# KiCad board pcb_r.kicad_pcb
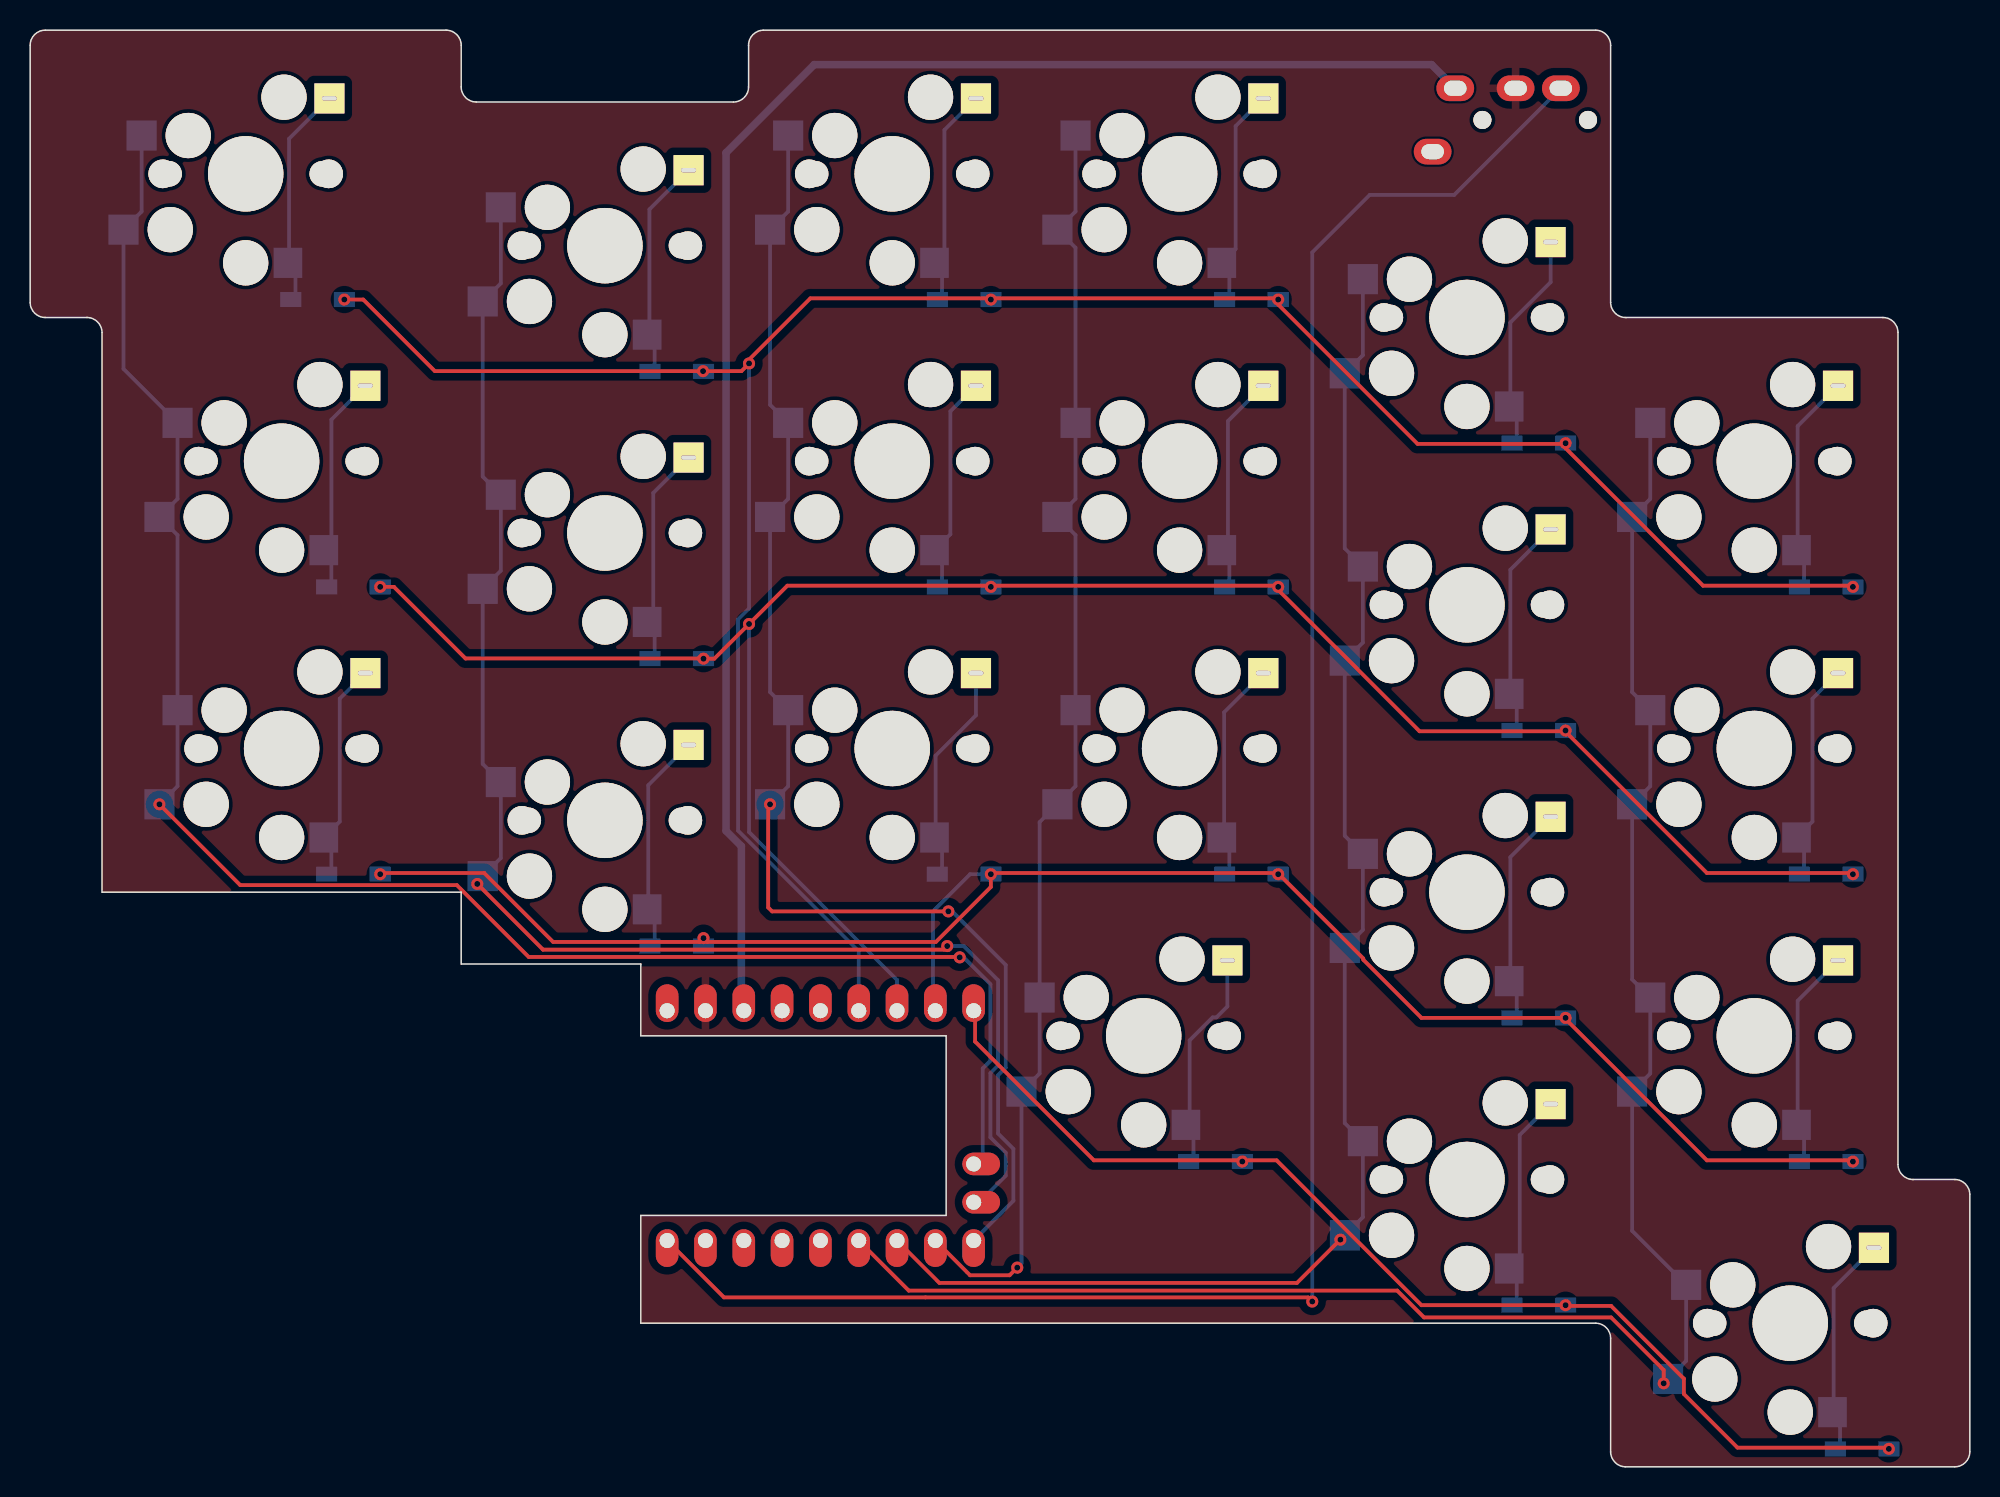
[diagram p0: board, top side]
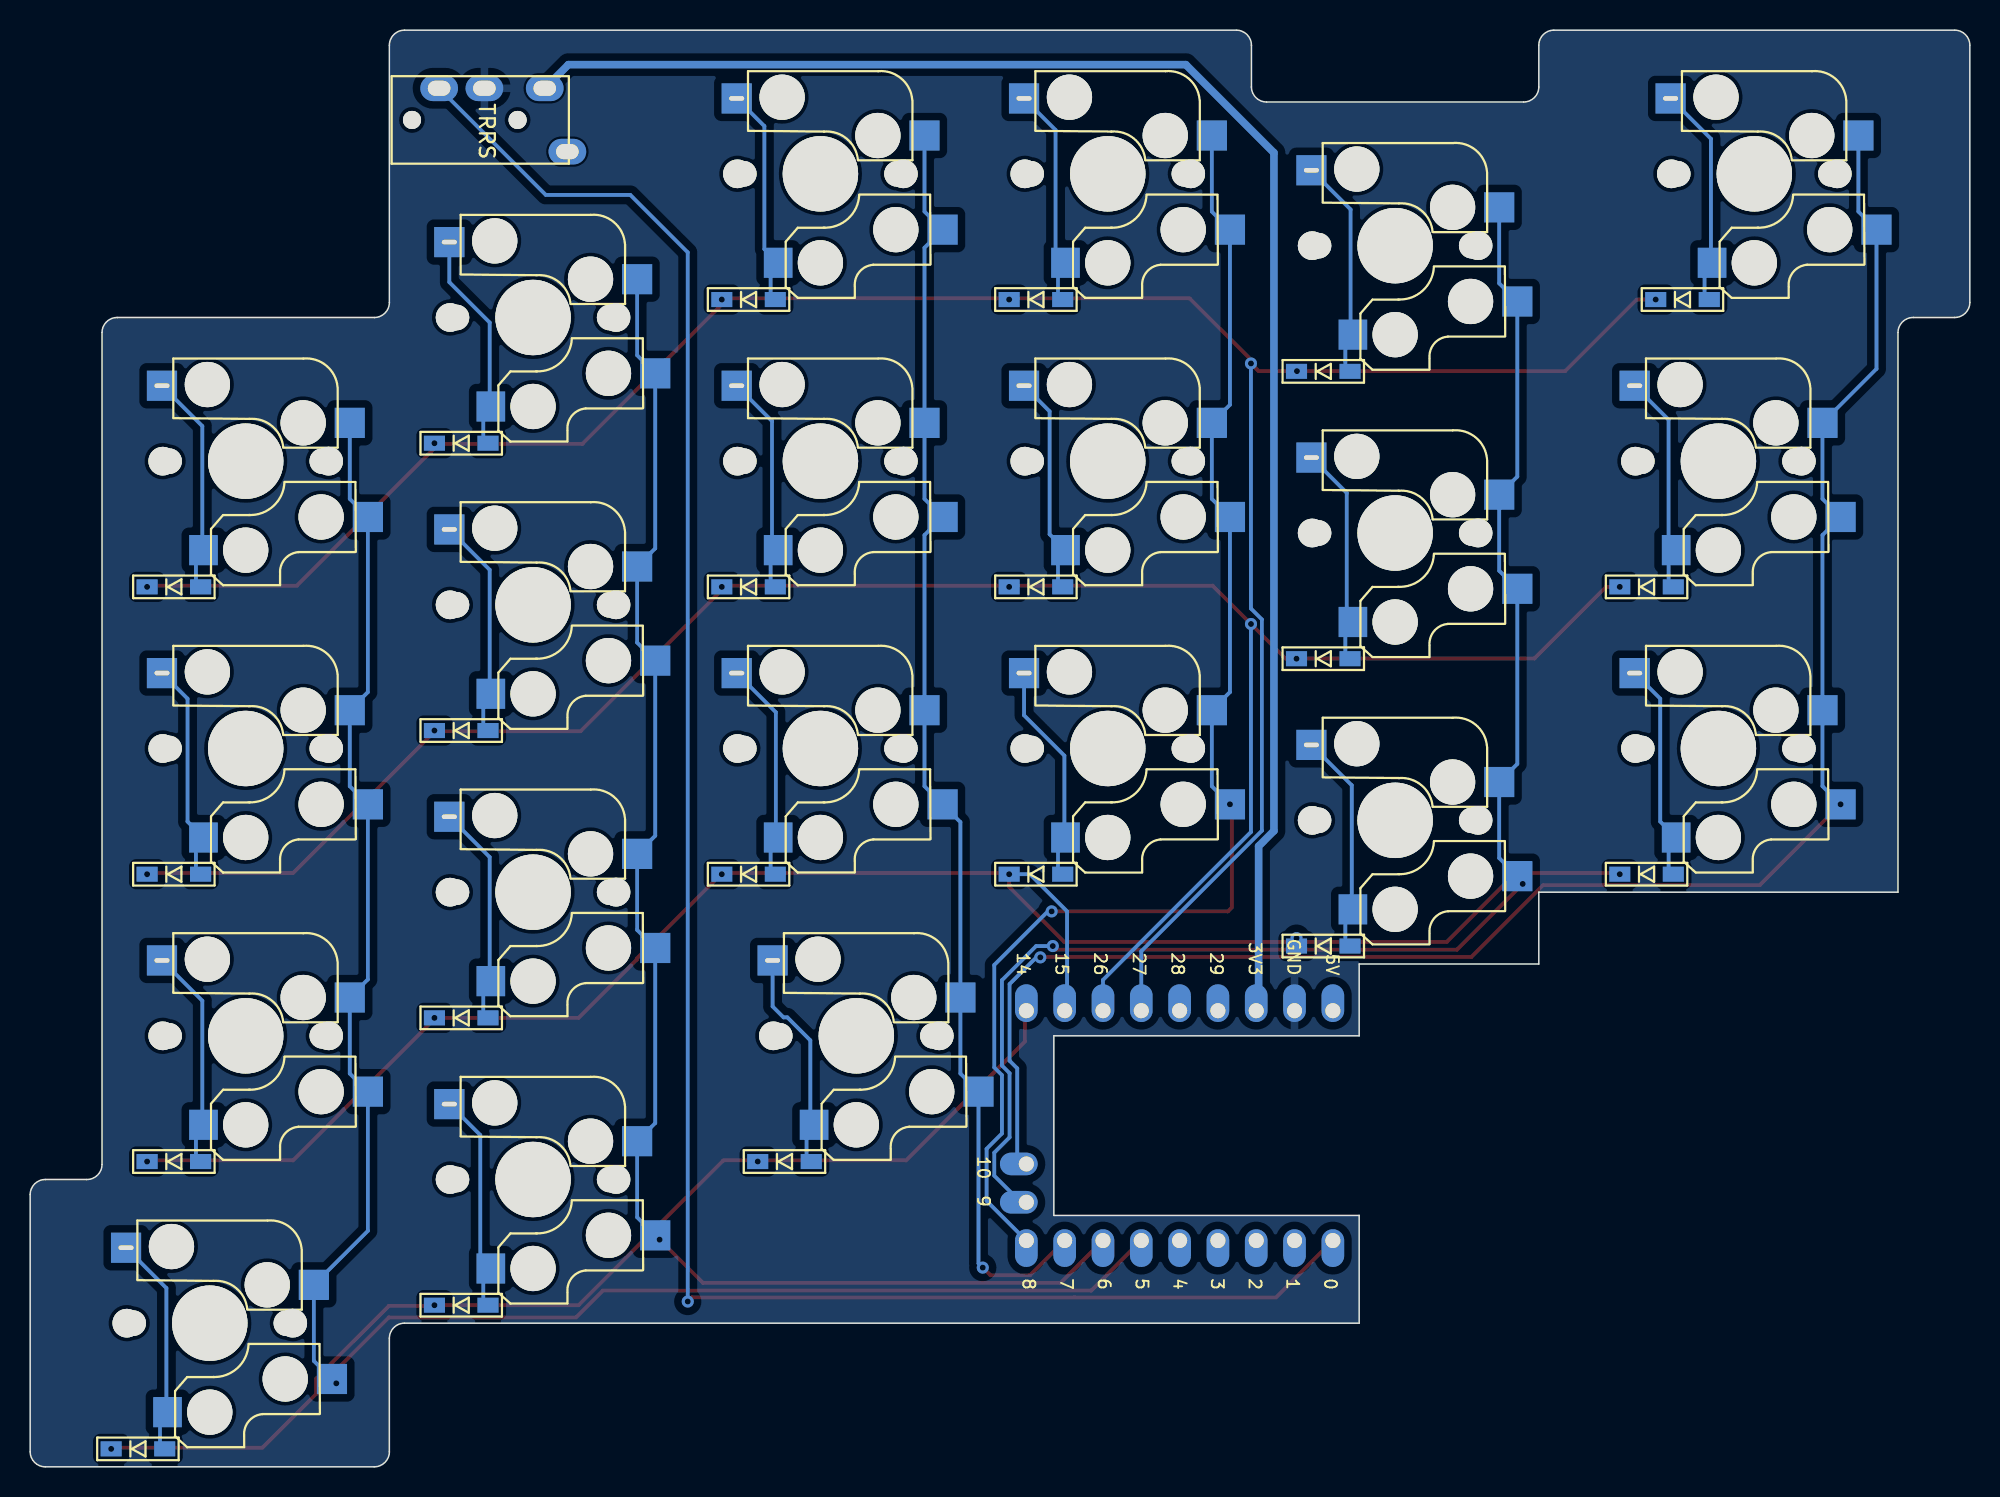
[diagram p1: board, bottom side, seen from below]

Outline 128.59 x 95.25 mm; copper layers: Top, Bottom. Coordinates in mm from the lower left corner of the outline.
Outline path: 0,94.25 arc(0.29,94.96) 1,95.25 27.58,95.25 arc(28.28,94.96) 28.58,94.25 28.58,91.49 arc(28.87,90.78) 29.58,90.49 46.63,90.49 arc(47.33,90.78) 47.63,91.49 47.63,94.25 arc(47.92,94.96) 48.63,95.25 103.78,95.25 arc(104.48,94.96) 104.78,94.25 104.78,77.2 arc(105.07,76.49) 105.78,76.2 122.82,76.2 arc(123.53,75.91) 123.82,75.2 123.82,20.05 arc(124.12,19.34) 124.82,19.05 127.59,19.05 arc(128.29,18.76) 128.59,18.05 128.59,1 arc(128.29,0.29) 127.59,0 105.78,0 arc(105.07,0.29) 104.78,1 104.78,8.52 arc(104.48,9.23) 103.78,9.52 40.48,9.52 40.48,16.67 60.72,16.67 60.72,28.58 40.48,28.58 40.48,33.34 28.58,33.34 28.58,38.1 4.76,38.1 4.76,75.2 arc(4.47,75.91) 3.76,76.2 1,76.2 arc(0.29,76.49) 0,77.2 0,94.25

## Placement (name value [footprint] x y rotation side)
D1  D  [D3_SMD_v2]  19.05 77.39 180 bottom
D2  D  [D3_SMD_v2]  42.86 72.63 180 bottom
D3  D  [D3_SMD_v2]  61.91 77.39 180 bottom
D4  D  [D3_SMD_v2]  80.96 77.39 180 bottom
D5  D  [D3_SMD_v2]  100.01 67.87 180 bottom
D6  D  [D3_SMD_v2]  119.06 58.34 180 bottom
D7  D  [D3_SMD_v2]  21.43 58.34 180 bottom
D8  D  [D3_SMD_v2]  42.86 53.58 180 bottom
D9  D  [D3_SMD_v2]  61.91 58.34 180 bottom
D10  D  [D3_SMD_v2]  80.96 58.34 180 bottom
D11  D  [D3_SMD_v2]  100.01 48.82 180 bottom
D12  D  [D3_SMD_v2]  119.06 39.29 180 bottom
D13  D  [D3_SMD_v2]  21.43 39.29 180 bottom
D14  D  [D3_SMD_v2]  42.86 34.53 180 bottom
D15  D  [D3_SMD_v2]  61.91 39.29 180 bottom
D16  D  [D3_SMD_v2]  80.96 39.29 180 bottom
D17  D  [D3_SMD_v2]  100.01 29.77 180 bottom
D18  D  [D3_SMD_v2]  119.06 20.24 180 bottom
D19  D  [D3_SMD_v2]  78.58 20.24 180 bottom
D20  D  [D3_SMD_v2]  100.01 10.72 180 bottom
D21  D  [D3_SMD_v2]  121.44 1.19 180 bottom
J1  TRRS  [MJ-4PP-9_1side]  104.78 89.3 90 bottom
SW1  SW_PUSH  [CherryMX_ChocV2_Hotswap_1.5u]  14.29 85.72 0 top
SW2  SW_PUSH  [CherryMX_ChocV2_Hotswap]  38.1 80.96 0 top
SW3  SW_PUSH  [CherryMX_ChocV2_Hotswap]  57.15 85.72 0 top
SW4  SW_PUSH  [CherryMX_ChocV2_Hotswap]  76.2 85.72 0 top
SW5  SW_PUSH  [CherryMX_ChocV2_Hotswap]  95.25 76.2 0 top
SW6  SW_PUSH  [CherryMX_ChocV2_Hotswap]  114.3 66.67 0 top
SW7  SW_PUSH  [CherryMX_ChocV2_Hotswap_1.25u]  16.67 66.67 0 top
SW8  SW_PUSH  [CherryMX_ChocV2_Hotswap]  38.1 61.91 0 top
SW9  SW_PUSH  [CherryMX_ChocV2_Hotswap]  57.15 66.67 0 top
SW10  SW_PUSH  [CherryMX_ChocV2_Hotswap]  76.2 66.67 0 top
SW11  SW_PUSH  [CherryMX_ChocV2_Hotswap]  95.25 57.15 0 top
SW12  SW_PUSH  [CherryMX_ChocV2_Hotswap]  114.3 47.62 0 top
SW13  SW_PUSH  [CherryMX_ChocV2_Hotswap_1.25u]  16.67 47.62 0 top
SW14  SW_PUSH  [CherryMX_ChocV2_Hotswap]  38.1 42.86 0 top
SW15  SW_PUSH  [CherryMX_ChocV2_Hotswap]  57.15 47.62 0 top
SW16  SW_PUSH  [CherryMX_ChocV2_Hotswap]  76.2 47.62 0 top
SW17  SW_PUSH  [CherryMX_ChocV2_Hotswap]  95.25 38.1 0 top
SW18  SW_PUSH  [CherryMX_ChocV2_Hotswap]  114.3 28.58 0 top
SW19  SW_PUSH  [CherryMX_ChocV2_Hotswap_1.25u]  73.82 28.58 0 top
SW20  SW_PUSH  [CherryMX_ChocV2_Hotswap]  95.25 19.05 0 top
SW21  SW_PUSH  [CherryMX_ChocV2_Hotswap_1.25u]  116.68 9.52 0 top
U1  rp2040-zero  [rp2040-zero-tht]  52.39 22.62 270 bottom

## Library data of the parts
D1-D21 = -: Description: Diode; Sim.Pins: 1=K 2=A

## Footprints (pads in the part's own frame, mm; a bottom-side part is the same pattern mirrored in y, then rotated)
CherryMX_ChocV2_Hotswap
  round 1.9 hole 1.9 unplated: (-5.5,0) (5.5,0)
  round 1.7 hole 1.7 unplated: (-5.08,0) (5.08,0)
  round 3 hole 3 unplated: (-5,-3.7) (-3.81,2.54) (0,-5.9) (2.54,5.08)
  round 4 hole 4 unplated: (0,0)
  round 5 hole 5 unplated: (0,0)
  rect 2x2 smd far side: 1(-8.1,-3.7) 1(-6.9,2.54)
  rect 1.9x2 smd far side: 2(2.8,-5.9)
  rect 2x2 hole 1x0.3: 2(5.55,5)
CherryMX_ChocV2_Hotswap_1.5u
  round 1.9 hole 1.9 unplated: (-5.5,0) (5.5,0)
  round 1.7 hole 1.7 unplated: (-5.08,0) (5.08,0)
  round 3 hole 3 unplated: (-5,-3.7) (-3.81,2.54) (0,-5.9) (2.54,5.08)
  round 4 hole 4 unplated: (0,0)
  round 5 hole 5 unplated: (0,0)
  rect 2x2 smd far side: 1(-8.1,-3.7) 1(-6.9,2.54)
  rect 1.9x2 smd far side: 2(2.8,-5.9)
  rect 2x2 hole 1x0.3: 2(5.55,5)
CherryMX_ChocV2_Hotswap_1.25u
  round 1.9 hole 1.9 unplated: (-5.5,0) (5.5,0)
  round 1.7 hole 1.7 unplated: (-5.08,0) (5.08,0)
  round 3 hole 3 unplated: (-5,-3.7) (-3.81,2.54) (0,-5.9) (2.54,5.08)
  round 4 hole 4 unplated: (0,0)
  round 5 hole 5 unplated: (0,0)
  rect 2x2 smd far side: 1(-8.1,-3.7) 1(-6.9,2.54)
  rect 1.9x2 smd far side: 2(2.8,-5.9)
  rect 2x2 hole 1x0.3: 2(5.55,5)
D3_SMD_v2
  rect 1.4x1 smd: 1(-1.775,0) 2(1.775,0)
MJ-4PP-9_1side
  round 1.2 hole 1.2 unplated: (0,-8.5) (0,-1.5)
  oval 1.7x2.5 hole 1x1.5: A(-2.1,-11.8) B(2.1,-3.3) C(2.1,-6.3) D(2.1,-10.3)
rp2040-zero-tht
  oval 2.5x1.5 hole 1: 1(7.62,10.16) 2(7.62,7.62) 3(7.62,5.08) 4(7.62,2.54) 5(7.62,0) 6(7.62,-2.54) 7(7.62,-5.08) 8(7.62,-7.62) 9(7.62,-10.16) 15(-7.62,-10.16) 16(-7.62,-7.62) 17(-7.62,-5.08) 18(-7.62,-2.54) 19(-7.62,0) 20(-7.62,2.54) 21(-7.62,5.08) 22(-7.62,7.62) 23(-7.62,10.16)
  oval 1.5x2.5 hole 1: 10(5.08,-10.16) 11(2.54,-10.16)

## Nets
GND: J1.C U1.22
VCC: J1.D U1.21
COL0: SW1.1 SW7.1 SW13.1 U1.11
COL1: SW2.1 SW8.1 SW14.1 U1.10
COL2: SW3.1 SW9.1 SW15.1 U1.9
COL3: SW4.1 SW10.1 SW16.1 SW19.1 U1.8
COL4: SW5.1 SW11.1 SW17.1 SW20.1 U1.7
COL5: SW6.1 SW12.1 SW18.1 SW21.1 U1.6
PIO: J1.B U1.1
ROW0: D1.1 D2.1 D3.1 D4.1 D5.1 D6.1 U1.18
ROW1: D7.1 D8.1 D9.1 D10.1 D11.1 D12.1 U1.17
ROW2: D13.1 D14.1 D15.1 D16.1 D17.1 D18.1 U1.16
ROW3: D19.1 D20.1 D21.1 U1.15
Net-(D1-A): D1.2 SW1.2
Net-(D2-A): D2.2 SW2.2
Net-(D3-A): D3.2 SW3.2
Net-(D4-A): D4.2 SW4.2
Net-(D5-A): D5.2 SW5.2
Net-(D6-A): D6.2 SW6.2
Net-(D7-A): D7.2 SW7.2
Net-(D8-A): D8.2 SW8.2
Net-(D9-A): D9.2 SW9.2
Net-(D10-A): D10.2 SW10.2
Net-(D11-A): D11.2 SW11.2
Net-(D12-A): D12.2 SW12.2
Net-(D13-A): D13.2 SW13.2
Net-(D14-A): D14.2 SW14.2
Net-(D15-A): D15.2 SW15.2
Net-(D16-A): D16.2 SW16.2
Net-(D17-A): D17.2 SW17.2
Net-(D18-A): D18.2 SW18.2
Net-(D19-A): D19.2 SW19.2
Net-(D20-A): D20.2 SW20.2
Net-(D21-A): D21.2 SW21.2

Pads without a net: J1 A; U1 2 3 4 5 19 20 23

## Via types
v1: diameter 0.8, hole 0.4, Top to Bottom, 33 vias

## Routing (per net, layer and track width the routed paths; a pad name or vN(x,y) marks a point on that pad's centre or on a via; arc(x,y) is an arc through that point)
VCC: length 108.8
  Bottom w0.5: J1.D 92.91,92.96 51.97,92.96 46.13,87.12 46.13,42.16 47.15,41.15 47.15,30.4 U1.21
COL0: length 120.2
  Top w0.25: v1(61.62,33.78) 61.6,33.8 33.05,33.8 28.29,38.57 13.93,38.57 v1(8.57,43.92)
  Bottom w0.25: U1.11 63.15,20.69 63.15,26.42 63.66,26.92 63.66,32 61.89,33.78 v1(61.62,33.78) ; v1(8.57,43.92) 9.77,45.12 9.77,61.77 SW7.1 9.77,64.17 SW7.1 6.19,72.8 SW1.1 7.39,83.22 SW1.1
COL1: length 100.6
  Top w0.25: v1(60.79,34.53) 60.56,34.29 34,34.29 v1(29.64,38.65)
  Bottom w0.25: v1(60.79,34.53) 61.9,34.53 64.17,32.26 64.17,26.61 63.66,26.1 63.66,21.84 64.67,20.83 64.67,19.3 62.91,17.54 U1.10 ; SW2.1 31.2,78.46 SW2.1 30,65.65 SW8.1 31.2,59.41 SW8.1 30,46.6 SW14.1 31.2,40.36 SW14.1
COL2: length 91
  Top w0.25: v1(60.87,36.83) 49.19,36.83 48.93,37.08 48.93,43.8 v1(49.05,43.92)
  Bottom w0.25: v1(60.87,36.83) 61.12,36.83 64.67,33.27 64.67,26.48 64.17,25.97 64.17,22.1 65.18,21.08 65.18,17.64 U1.9 ; SW3.1 50.25,83.22 SW3.1 49.05,70.41 SW9.1 50.25,64.17 SW9.1 49.05,51.36 50.25,50.16 50.25,45.12 v1(49.05,43.92)
COL3: length 85.2
  Top w0.25: U1.8 62.31,12.7 64.93,12.7 v1(65.44,13.21)
  Bottom w0.25: SW4.1 69.3,83.22 SW4.1 69.3,80.82 SW10.1 69.3,64.17 SW10.1 69.3,61.77 69.3,45.12 SW16.1 66.92,42.74 SW19.1 66.92,26.08 SW19.1 65.72,13.49 v1(65.44,13.21)
COL4: length 98.6
  Top w0.25: v1(86.86,15.06) 86.85,15.06 83.98,12.19 60.28,12.19 U1.7
  Bottom w0.25: SW5.1 88.35,73.7 SW5.1 87.15,60.89 SW11.1 88.35,54.65 SW11.1 87.15,41.84 SW17.1 88.35,35.6 SW17.1 87.15,22.79 SW20.1 88.35,16.55 SW20.1
COL5: length 125.7
  Top w0.25: v1(108.29,5.54) 108.29,6.42 104.81,9.91 92.41,9.91 90.63,11.68 58.25,11.68 U1.6
  Bottom w0.25: SW6.1 107.4,64.17 SW6.1 106.2,51.36 107.4,50.16 107.4,45.12 SW12.1 106.2,32.31 SW18.1 107.4,26.08 SW18.1 106.2,15.65 SW21.1 109.78,7.02 SW21.1
PIO: length 135
  Top w0.25: v1(84.99,10.96) 84.72,11.23 46,11.23 U1.1
  Bottom w0.25: J1.B 94.41,84.33 88.8,84.33 84.99,80.52 v1(84.99,10.96)
ROW0: length 159.1
  Top w0.25: v1(20.83,77.39) 22.08,77.39 26.83,72.64 v1(44.61,72.64) 47.15,72.64 v1(47.66,73.15) 47.66,73.41 51.72,77.47 63.61,77.47 v1(63.69,77.39) 63.77,77.47 82.66,77.47 v1(82.74,77.39) 82.74,77.06 91.98,67.82 101.74,67.82 v1(101.79,67.87) 101.79,67.54 110.9,58.42 120.76,58.42 v1(120.84,58.34)
  Bottom w0.25: U1.18 54.93,34.18 46.93,42.18 46.93,56.18 47.66,56.91 v1(47.66,73.15)
ROW1: length 139.5
  Top w0.25: v1(120.84,39.29) 120.76,39.37 111.16,39.37 101.79,48.74 v1(101.79,48.82) 101.74,48.77 92.11,48.77 82.74,58.14 v1(82.74,58.34) 82.66,58.42 63.77,58.42 v1(63.69,58.34) 63.61,58.42 50.2,58.42 v1(47.66,55.88) 45.35,53.58 v1(44.64,53.58) 44.62,53.59 28.86,53.59 24.11,58.34 v1(23.21,58.34)
  Bottom w0.25: v1(47.66,55.88) 47.66,42.09 57.47,32.28 U1.17
ROW2: length 121.7
  Top w0.25: v1(120.84,20.24) 120.76,20.32 111.16,20.32 101.79,29.69 v1(101.79,29.77) 92.23,29.77 88.38,33.62 88.38,33.7 82.79,39.29 v1(82.74,39.29) 82.66,39.37 63.77,39.37 v1(63.69,39.29) 63.69,38.45 60.04,34.8 44.89,34.8 v1(44.64,35.05) 44.38,34.8 34.67,34.8 30.1,39.37 23.29,39.37 v1(23.21,39.29)
  Bottom w0.25: U1.16 59.85,30.4 59.85,36.83 62.31,39.29 v1(63.69,39.29)
ROW3: length 75
  Top w0.25: v1(123.22,1.19) 123.14,1.27 113.19,1.27 109.63,4.83 109.63,5.84 104.81,10.67 101.84,10.67 v1(101.79,10.72) 92.23,10.72 82.63,20.32 80.44,20.32 v1(80.36,20.24) 80.28,20.32 70.52,20.32 62.64,28.19 62.64,30.15 U1.15
  Bottom w0.25: v1(80.36,20.24) 80.69,20.58
Net-(D1-A): length 14.2
  Bottom w0.25: SW1.2 17.16,88.05 17.16,79.9 SW1.2 ; 17.59,79.82 17.59,77.7
Net-(D2-A): length 14.2
  Bottom w0.25: SW2.2 41.05,83.37 41.05,75.22 SW2.2 ; 41.4,75.06 41.4,72.94
Net-(D3-A): length 14.2
  Bottom w0.25: 60.45,79.82 60.45,77.7 ; SW3.2 60.61,80.49 60.61,88.64 SW3.2
Net-(D4-A): length 14.2
  Bottom w0.25: SW4.2 79.91,88.89 79.91,80.74 SW4.2 ; 79.5,79.82 79.5,77.7
Net-(D5-A): length 14.2
  Bottom w0.25: 98.55,70.3 98.55,68.18 ; SW5.2 100.8,78.54 98.12,75.87 98.12,70.38 SW5.2
Net-(D6-A): length 14.2
  Bottom w0.25: SW6.2 117.17,60.85 117.17,69 SW6.2 ; 117.6,60.77 117.6,58.65
Net-(D7-A): length 14.2
  Bottom w0.25: SW7.2 19.97,69.43 19.97,61.28 SW7.2 ; 19.97,60.77 19.97,58.65
Net-(D8-A): length 14.2
  Bottom w0.25: SW8.2 41.31,64.57 41.31,56.42 SW8.2 ; 41.4,56.01 41.4,53.89
Net-(D9-A): length 14.2
  Bottom w0.25: 60.45,60.77 60.45,58.65 ; SW9.2 61.01,61.83 61.01,69.98 SW9.2
Net-(D10-A): length 14.2
  Bottom w0.25: 79.5,60.77 79.5,58.65 ; SW10.2 79.41,61.18 79.41,69.33 SW10.2
Net-(D11-A): length 14.2
  Bottom w0.25: SW11.2 98.12,51.32 98.12,59.47 SW11.2 ; 98.55,51.25 98.55,49.13
Net-(D12-A): length 14.2
  Bottom w0.25: SW12.2 118.16,42.78 118.16,50.93 SW12.2 ; 117.6,41.72 117.6,39.6
Net-(D13-A): length 14.2
  Bottom w0.25: SW13.2 20.52,50.93 20.52,42.78 SW13.2 ; 19.97,41.72 19.97,39.6
Net-(D14-A): length 14.2
  Bottom w0.25: 41.4,36.96 41.4,34.84 ; SW14.2 40.98,45.19 40.98,37.04 SW14.2
Net-(D15-A): length 14.2
  Bottom w0.25: SW15.2 62.7,49.83 60.02,47.15 60.02,41.8 SW15.2 ; 60.45,41.72 60.45,39.6
Net-(D16-A): length 14.2
  Bottom w0.25: SW16.2 79.15,50.03 79.15,41.88 SW16.2 ; 79.5,41.72 79.5,39.6
Net-(D17-A): length 14.2
  Bottom w0.25: 98.55,32.2 98.55,30.08 ; SW17.2 98.12,40.42 98.12,32.27 SW17.2
Net-(D18-A): length 14.2
  Bottom w0.25: SW18.2 117.17,22.75 117.17,30.9 SW18.2 ; 117.6,22.67 117.6,20.55
Net-(D19-A): length 14.3
  Bottom w0.25: 77.12,22.67 77.12,20.55 ; SW19.2 79.37,30.52 78.64,29.8 78.39,29.8 76.87,28.28 76.87,22.92 SW19.2
Net-(D20-A): length 14.2
  Bottom w0.25: SW20.2 98.75,22 98.75,13.85 SW20.2 ; 98.55,13.15 98.55,11.03
Net-(D21-A): length 14.2
  Bottom w0.25: SW21.2 119.56,11.85 119.56,3.7 SW21.2 ; 119.98,3.62 119.98,1.5

## Copper pours and planes (outline as drawn; the poured copper is in the pictures)
GND on Top, Bottom: -2.38,97.28 134.27,97.54 132.49,-5.08 -5.18,-2.03
